# Altium PCB 11BRANMB10H3_20171027.pcbdoc (part 6 of 7)
Units mm, origin at the board's own origin, x right, y up, seen from the top; angles counter-clockwise.
Board outline 91.65 x 48.25 mm, 6 copper layers (TOP, GND1, Singal, POWER, GND2, BOTTOM), stack 0.8 mm thick; 370 components, 289 nets, 1421 pads, 963 vias.
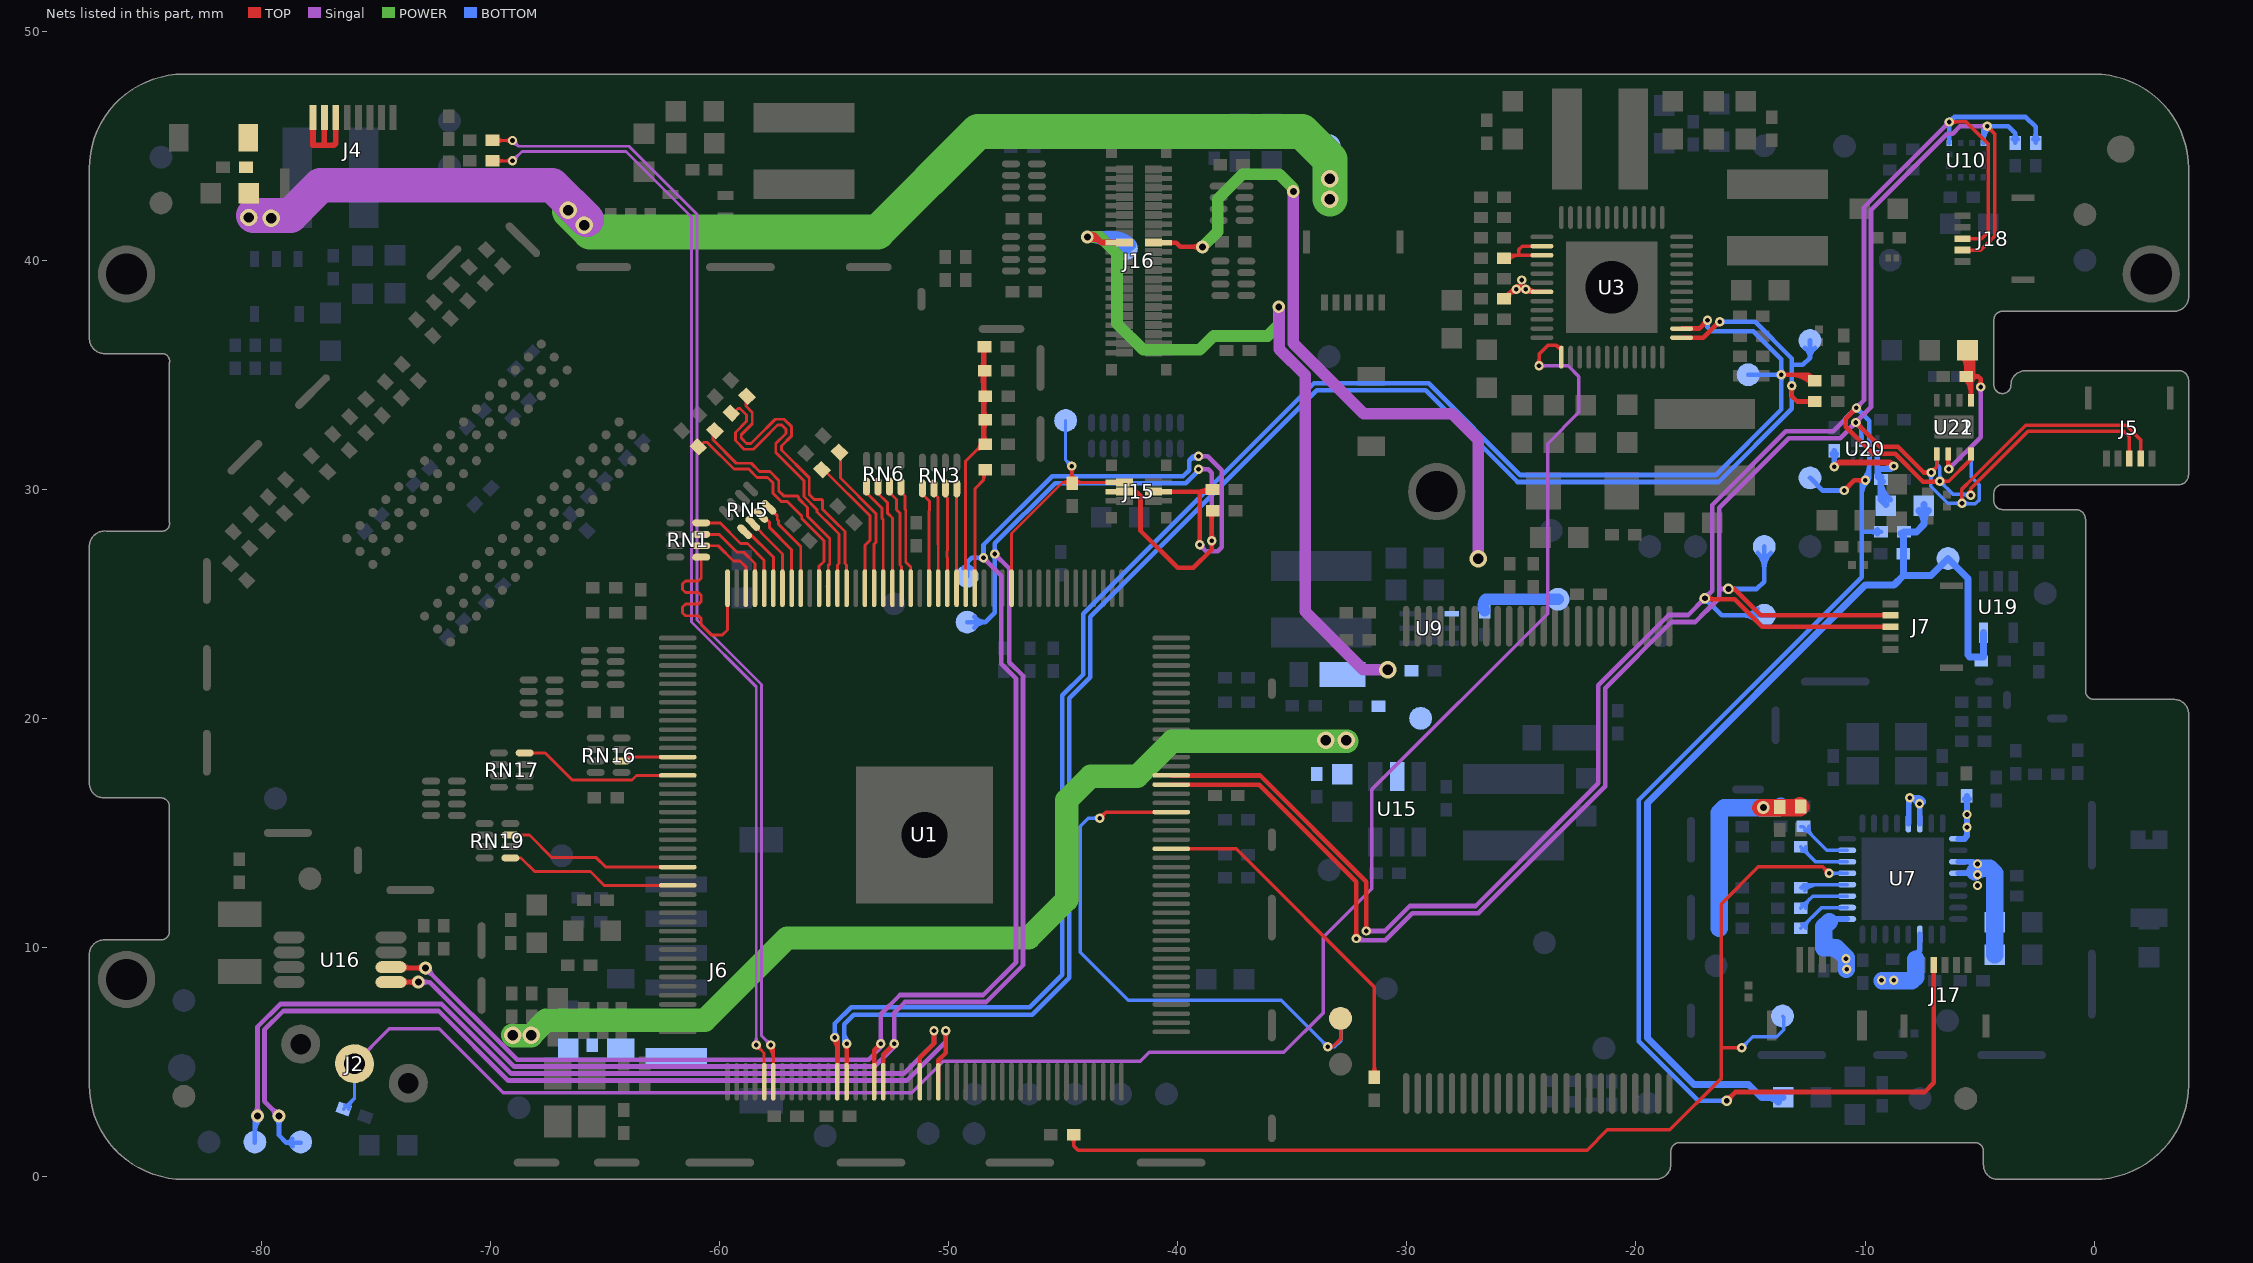
[diagram p10: the nets of this part, all layers, seen from the top]

## Via types
v1: diameter 0.406, hole 0.203, TOP to BOTTOM, tented both sides, 429 vias
v2: diameter 0.457, hole 0.254, TOP to BOTTOM, tented both sides, 256 vias
v3: diameter 0.559, hole 0.305, TOP to BOTTOM, tented both sides, 186 vias
v4: diameter 0.762, hole 0.457, TOP to BOTTOM, tented both sides, 69 vias
v5: diameter 0.61, hole 0.33, TOP to BOTTOM, tented both sides, 11 vias
v6: diameter 0.5, hole 0.2, TOP to BOTTOM, 9 vias
v7: diameter 0.559, hole 0.051, TOP to BOTTOM, tented both sides, 2 vias
v8: diameter 0.508, hole 0.254, TOP to BOTTOM, tented both sides, 1 vias

## Nets (pads, with @x,y where several pads share a name; then routed paths per layer and width w, separated by ;. In a path a pad name is that pad's centre, name@x,y a point inside that pad or via, vN(x,y) a via of type N, cw(c..) or ccw(c..) an arc to the next point about the centre after c; other vN are vias at no path point) (continued)
SD_CLK_1: R171.2 TP43.1 U7.21 | length 50.4
  TOP w0.152: R171.2@-44.669,1.706 cw(c-44.966,1.409) -44.546,1.409 cw(c-44.126,1.409) R171.2@-44.423,1.706 ; R171.2@-44.546,1.829 -44.546,1.329 -44.36,1.143 -22.135,1.143 -21.246,2.032 -18.528,2.032 -16.268,4.293 -16.268,5.613 ; v1@-15.469,5.524 ccw(c-15.685,5.307) -15.685,5.613 ccw(c-15.685,5.92) v1@-15.469,5.703 ; v1(-15.379,5.613) -16.268,5.613 ; v1@-11.696,13.233 ccw(c-12.002,13.233) -11.786,13.45 ccw(c-11.569,13.667) v1@-11.569,13.36 ; v1(-11.569,13.233) -11.848,13.513 -14.663,13.513 -16.268,11.908 -16.268,5.613
  BOTTOM w0.152: v1(-15.379,5.613) -14.896,6.096 -13.855,6.096 -13.55,6.401 -13.55,6.95 TP43.1@-13.6,7 ; v1@-15.379,5.74 ccw(c-15.379,6.047) -15.162,5.83 ccw(c-14.945,5.613) v1@-15.252,5.613 ; v1(-11.569,13.233) -10.786,13.233 U7.21@-10.782,13.237 ; v1@-11.479,13.144 cw(c-11.262,12.927) -11.262,13.233 cw(c-11.262,13.54) v1@-11.479,13.323 ; -11.184,13.233 ccw(c-11.184,13.364) U7.21@-11.092,13.272
SD_CMD_1: R170.2 U7.20 | length 3.2
  BOTTOM w0.152: R170.2@-12.81,12.606 -12.679,12.737 U7.20@-10.782,12.737 ; R170.2@-12.745,12.591 cw(c-12.392,12.238) -12.392,12.737 ; R170.2@-12.637,12.483 cw(c-12.024,11.87) -12.024,12.737
SD_D0_1: R172.2 U7.22 | length 3
  BOTTOM w0.152: R172.2@-12.81,14.384 -12.163,13.737 U7.22@-10.782,13.737 ; R172.2@-12.76,14.21 cw(c-12.76,13.912) -12.549,14.123 ; R172.2@-12.586,14.384 ccw(c-12.046,14.384) -12.428,14.002
SD_D1_1: R173.2 U7.23 | length 3.1
  BOTTOM w0.152: R173.2@-12.81,15.273 -12.709,15.273 -12.7,15.264 -11.673,14.237 U7.23@-10.782,14.237 ; R173.2@-12.635,15.105 cw(c-12.635,14.879) R173.2@-12.475,15.039 ; R173.2@-12.461,15.279 ccw(c-11.848,15.279) -12.281,14.846
SD_D2_1: R168.2 U7.18 | length 3.1
  BOTTOM w0.152: R168.2@-12.81,10.828 -11.901,11.737 U7.18@-10.782,11.737 ; R168.2@-12.76,11.002 ccw(c-12.76,11.301) -12.549,11.09 ; R168.2@-12.586,10.828 cw(c-12.046,10.828) -12.428,11.21
SD_D3_1: R169.2 U7.19 | length 2.9
  BOTTOM w0.152: R169.2@-12.81,11.717 -12.29,12.237 U7.19@-10.782,12.237 ; R169.2@-12.76,11.891 ccw(c-12.76,12.19) -12.549,11.979 ; R169.2@-12.586,11.717 cw(c-12.046,11.717) -12.428,12.099
SDQ0: RN3.5 U1.22 | length 4.5
  TOP w0.127: RN3.5@-51.155,30.04 -51.155,29.794 -50.853,29.493 -50.853,29.072 -50.865,29.059 U1.22@-50.865,25.683
SDQ1: RN1.8 U1.40 | length 4.6
  TOP w0.127: RN1.8@-60.812,28.536 -59.994,28.536 -59.091,27.633 -58.798,27.633 -58.065,26.9 U1.40@-58.065,25.683
SDQ2: RN3.6 U1.21 | length 4.4
  TOP w0.127: RN3.6@-50.654,30.04 -50.654,29.833 -50.472,29.651 -50.472,29.464 U1.21@-50.465,25.683
SDQ3: RN1.7 U1.41 | length 4
  TOP w0.127: RN1.7@-60.812,28.036 -60.033,28.036 -59.249,27.252 -58.955,27.252 -58.465,26.761 U1.41@-58.465,25.683
SDQ4: RN3.8 U1.19 | length 4.4
  TOP w0.127: U1.19@-49.665,25.683 -49.665,29.48 RN3.8@-49.654,30.04
SDQ5: RN1.5 U1.44 | length 8.9
  TOP w0.127: RN1.5@-60.812,27.036 -60.812,26.129 -60.939,26.002 -61.504,26.002 -61.631,25.875 -61.631,25.621 -61.504,25.494 -60.939,25.494 -60.812,25.367 -60.812,25.113 -60.939,24.986 -61.504,24.986 -61.631,24.859 -61.631,24.605 -61.504,24.478 -60.939,24.478 -60.812,24.351 -60.812,24.071 -60.387,23.645 -59.879,23.645 -59.665,23.859 U1.44@-59.665,25.683
SDQ6: RN3.7 U1.20 | length 5
  TOP w0.127: U1.20@-50.065,25.683 -50.065,27.03 -50.074,27.04 -50.065,27.576 -50.065,29.623 -50.091,29.649 ; RN3.7@-50.155,30.04 RN3.7@-50.091,29.809 ; RN3.7@-50.155,30.04 RN3.7@-50.122,29.84 ; RN3.7@-50.155,30.04 -50.155,29.872 RN3.7@-50.122,29.84 ; RN3.7@-50.122,29.84 RN3.7@-50.091,29.809 ; RN3.7@-50.122,29.84 -50.091,29.649 ; -50.091,29.649 RN3.7@-50.091,29.809
SDQ7: RN1.6 U1.42 | length 3.3
  TOP w0.127: RN1.6@-60.812,27.536 -60.072,27.536 -59.407,26.871 -59.113,26.871 -58.865,26.623 U1.42@-58.865,25.683
SDQ8: RN5.7 U1.37 | length 3.8
  TOP w0.127: RN5.7@-58.21,28.858 -58.133,28.858 -57.823,28.548 -57.823,28.32 -56.865,27.362 U1.37@-56.865,25.683
SDQ9: RN6.7 U1.25 | length 4.7
  TOP w0.127: RN6.7@-52.593,30.116 -52.593,29.857 -52.291,29.555 -52.291,29.112 -52.136,28.957 -52.136,26.692 -52.065,26.621 U1.25@-52.065,25.683
SDQ10: RN5.5 U1.39 | length 3.1
  TOP w0.127: RN5.5@-58.917,28.151 -58.777,28.151 -57.665,27.039 U1.39@-57.665,25.683
SDQ11: RN6.8 U1.24 | length 4.6
  TOP w0.127: RN6.8@-52.093,30.116 -52.093,29.896 -51.91,29.713 -51.91,29.117 -51.882,29.089 -51.882,26.825 -51.665,26.608 U1.24@-51.665,25.683
SDQ12: RN5.8 U1.36 | length 4.1
  TOP w0.127: RN5.8@-57.856,29.212 -57.491,28.846 -57.491,28.678 -57.442,28.628 -57.442,28.478 -56.465,27.501 U1.36@-56.465,25.683
SDQ13: RN6.6 U1.26 | length 4.7
  TOP w0.127: RN6.6@-53.093,30.116 -53.093,29.818 -52.672,29.397 -52.672,28.954 -52.465,28.747 U1.26@-52.465,25.683
SDQ14: RN5.6 U1.38 | length 3.4
  TOP w0.127: RN5.6@-58.564,28.505 -58.175,28.116 -58.175,28.088 -57.265,27.178 U1.38@-57.265,25.683
SDQ15: RN6.5 U1.27 | length 4.7
  TOP w0.127: RN6.5@-53.593,30.116 -53.593,29.848 -52.926,29.181 -52.926,28.74 -52.865,28.679 U1.27@-52.865,25.683
SDQM0: R76.1 U1.29 | length 6.1
  TOP w0.127: R76.1@-55.495,30.819 -55.424,30.819 -53.434,28.829 -53.434,27.79 -53.665,27.56 U1.29@-53.665,25.683
SDQM1: R77.1 U1.28 | length 6.6
  TOP w0.127: R77.1@-54.733,31.581 -54.733,30.487 -53.18,28.935 -53.18,27.685 -53.265,27.6 U1.28@-53.265,25.683
SDQS0: R72.1 U1.31 | length 13.6
  TOP w0.127: R72.1@-58.771,34.019 -58.861,33.93 -58.861,33.634 -58.582,33.355 -58.582,32.862 -59.066,32.378 -59.066,32.234 -58.833,32.002 -58.636,32.002 -58.404,32.234 -57.581,33.057 -57.192,33.057 -56.862,32.727 -56.862,32.337 -57.305,31.894 -57.305,31.714 -56.096,30.506 -56.096,29.776 -55.881,29.561 -55.575,29.561 -55.57,29.566 -55.51,29.506 -55.51,29.125 -55.484,29.099 -54.988,28.602 -54.538,28.153 -54.538,26.763 -54.465,26.69 U1.31@-54.465,25.683
SDQS0-N: R73.1 U1.32 | length 13.3
  TOP w0.127: R73.1@-59.457,33.282 -59.211,33.529 -59.114,33.529 -58.836,33.25 -58.836,32.967 -59.32,32.484 -59.32,32.129 -58.939,31.748 -58.531,31.748 -58.15,32.129 -57.476,32.803 -57.297,32.803 -57.116,32.622 -57.116,32.443 -57.559,31.999 -57.559,31.609 -56.325,30.375 -56.325,29.682 -55.764,29.121 -55.764,29.019 -55.738,28.994 -55.093,28.348 -54.792,28.047 -54.792,26.763 -54.865,26.69 U1.32@-54.865,25.683
SDQS1: R74.1 U1.33 | length 10.1
  TOP w0.127: R74.1@-60.168,32.52 -60.31,32.378 -60.31,32.169 -59.278,31.136 -58.632,31.136 -58.271,30.775 -57.813,30.775 -57.427,30.389 -57.427,29.932 -57.212,29.716 -56.624,29.716 -56.554,29.646 -56.554,29.587 -56.17,29.204 -56.17,28.825 -55.202,27.857 -55.202,26.743 -55.265,26.681 U1.33@-55.265,25.683 U1.33@-55.332,25.75
SDQS1-N: R75.1 U1.34 | length 9.8
  TOP w0.127: R75.1@-60.905,31.809 -60.905,31.839 -60.691,32.053 -60.554,32.053 -59.384,30.882 -58.737,30.882 -58.376,30.521 -57.919,30.521 -57.681,30.283 -57.681,29.826 -57.317,29.462 -57.054,29.462 -56.424,28.832 -56.424,28.72 -55.456,27.752 -55.456,26.849 -55.665,26.64 U1.34@-55.665,25.683
SODT: RN19.5 U1.72 | length 7.8
  TOP w0.127: RN19.5@-69.143,13.904 -68.679,13.904 -68.083,13.308 -65.644,13.308 -65.045,12.708 U1.72@-61.84,12.708
SRAS: RN16.6 U1.58 | length 2.5
  TOP w0.127: RN16.6@-64.29,18.141 -64.123,18.308 U1.58@-61.84,18.308
SRST: RN19.7 U1.70 | length 7.9
  TOP w0.127: RN19.7@-69.143,14.904 -68.311,14.904 -67.325,13.917 -65.391,13.917 -64.982,13.508 U1.70@-61.84,13.508
SVREF: C82.2 C84.1 C148.2 R89.1 R91.2 U1.18 | length 23.4
  TOP w0.127: U1.18@-49.265,25.683 -49.265,31.237 C148.2@-48.525,31.977 ; -48.886,31.616 cw(c-48.465,31.195) C148.2@-48.465,31.79 ; -48.741,31.76 ccw(c-48.958,31.977) C148.2@-48.652,31.977 ; C84.1@-48.611,35.048 cw(c-48.904,34.755) -48.489,34.755 ; C148.2@-48.597,32.108 ccw(c-48.915,32.426) -48.466,32.426 ; R91.2@-48.588,32.911 cw(c-48.882,32.616) -48.466,32.616 ; R91.2@-48.588,33.174 ccw(c-48.882,33.468) -48.466,33.468 ; C82.2@-48.588,33.939 cw(c-48.882,33.645) -48.466,33.645 ; C82.2@-48.588,34.203 ccw(c-48.825,34.44) -48.489,34.441 ; -48.489,34.602 ccw(c-47.925,34.602) C82.2@-48.324,34.203 ; -48.489,34.705 cw(c-48.004,34.705) C84.1@-48.347,35.049 ; C84.1@-48.49,35.18 C82.2@-48.489,34.095 ; C148.2@-48.477,31.984 C148.2@-48.525,31.977 ; C148.2@-48.475,31.985 C148.2@-48.466,31.986 ; -48.466,32.428 ccw(c-48.014,32.428) C148.2@-48.333,32.108 ; -48.466,32.568 cw(c-47.981,32.568) R91.2@-48.324,32.911 ; -48.466,33.517 ccw(c-47.981,33.517) R91.2@-48.324,33.174 ; -48.466,33.597 cw(c-47.981,33.597) C82.2@-48.324,33.939 ; C148.2@-48.525,31.977 -48.475,31.977 C148.2@-48.466,31.986 ; C82.2@-48.489,34.095 C82.2@-48.475,34.081 ; C82.2@-48.489,34.095 C82.2@-48.475,34.081 ; C82.2@-48.475,34.081 C82.2@-48.466,34.071 ; C82.2@-48.475,34.081 C82.2@-48.466,34.071 ; C148.2@-48.466,31.986 -48.466,33.042 C82.2@-48.466,34.071
  TOP w0.152: R89.1@-48.612,36.101 cw(c-48.909,35.79) -48.479,35.801 ; R89.1@-48.502,36.227 -48.489,36.214 -48.475,35.649 ; -48.479,35.815 cw(c-48.07,35.825) R89.1@-48.367,36.107
  TOP w0.227: C82.2@-48.489,34.095 C82.2@-48.475,34.071
  TOP w0.234: R91.2@-48.475,33.043 R91.2@-48.466,33.042
  TOP w0.254: R89.1@-48.579,36.14 cw(c-48.831,35.889) -48.475,35.889 ; C84.1@-48.565,35.092 cw(c-48.748,34.905) -48.486,34.908 ; C84.1@-48.564,35.27 ccw(c-48.743,35.46) -48.481,35.453 ; C148.2@-48.552,32.064 ccw(c-48.738,32.249) -48.475,32.249 ; R89.1@-48.503,36.227 -48.489,36.214 -48.475,36.2 -48.475,35.649 -48.49,35.182 C84.1@-48.49,35.18 ; C84.1@-48.49,35.18 -48.475,34.081 C82.2@-48.475,34.071 ; -48.485,34.858 cw(c-48.153,34.863) C84.1@-48.391,35.094 ; -48.48,35.479 ccw(c-48.202,35.471) C84.1@-48.394,35.269 ; -48.48,34.415 ccw(c-48.116,34.42) C82.2@-48.37,34.159 ; C148.2@-48.475,31.977 -48.475,31.985 R91.2@-48.475,33.042 ; -48.475,32.298 ccw(c-48.144,32.298) C148.2@-48.378,32.064 ; -48.475,32.698 cw(c-48.111,32.698) R91.2@-48.369,32.955 ; R91.2@-48.475,33.043 C82.2@-48.475,34.071 ; -48.475,33.387 ccw(c-48.111,33.387) R91.2@-48.369,33.129 ; -48.475,33.727 cw(c-48.111,33.727) C82.2@-48.369,33.984 ; -48.475,35.972 cw(c-48.237,35.972) R89.1@-48.405,36.14 ; C82.2@-48.466,34.071 C82.2@-48.475,34.071
SWE: RN17.8 U1.60 | length 7.2
  TOP w0.127: RN17.8@-68.518,18.492 -67.626,18.489 -66.447,17.31 -63.83,17.31 -63.632,17.508 U1.60@-61.84,17.508
SZQ: R94.2 U1.17 | length 6
  TOP w0.127: U1.17@-48.865,25.683 -48.865,30.024 -48.475,30.414 ; R94.2@-48.597,30.727 cw(c-48.891,30.433) -48.475,30.433 ; R94.2@-48.475,30.859 -48.475,30.414 ; R94.2@-48.34,30.721 ccw(c-48.059,30.414) -48.475,30.414
TEMP_VDD: C254.1 R214.2 U22.2 U22.5 | length 14.1
  TOP w0.203: v1@-6.371,30.886 U22.2@-6.371,31.54 ; C254.1@-5.635,34.82 cw(c-6.27,34.185) -5.371,34.185 ; C254.1@-5.559,34.78 cw(c-5.61,34.528) -5.388,34.656 cw(c-5.197,34.766) C254.1@-5.396,34.861 ; C254.1@-5.491,34.964 cw(c-5.779,34.675) C254.1@-5.371,34.675 ; C254.1@-5.482,34.82 cw(c-5.749,34.553) -5.371,34.553 ; C254.1@-5.425,34.82 cw(c-5.171,34.566) -5.171,34.925 cw(c-5.171,35.284) C254.1@-5.425,35.03 ; U22.5@-5.371,33.89 -5.371,34.869 -5.427,34.925 -5.055,34.925 -4.953,34.823 v1(-4.953,34.468) ; -5.371,34.581 cw(c-5.033,34.581) -5.272,34.82 ; v1@-5.025,34.54 ccw(c-5.199,34.713) -4.953,34.713 ccw(c-4.707,34.713) v1@-4.881,34.54 ; -6.371,31.193 ccw(c-6.039,31.193) -6.274,30.958 cw(c-6.039,31.193) -6.371,31.193
  TOP w0.508: C254.1@-5.527,34.922 ccw(c-5.767,35.163) C254.1@-5.427,35.163 ; R214.2@-5.524,36.068 -5.427,35.971 C254.1@-5.427,34.925 ; R214.2@-5.663,35.929 cw(c-6.233,35.36) -5.427,35.36 ccw(c-6.233,35.36) R214.2@-5.663,35.929
  Singal w0.203: v1(-6.346,30.886) -4.953,32.279 v1(-4.953,34.468) ; v1@-5.025,34.396 cw(c-5.199,34.222) -4.953,34.222 cw(c-4.707,34.222) v1@-4.881,34.396 ; -6.172,31.06 ccw(c-5.999,30.886) -6.244,30.886 cw(c-5.999,30.886) -6.172,31.06 ; -6.172,31.06 cw(c-6.346,31.234) -6.346,30.988 ccw(c-6.346,31.234) -6.172,31.06
TP-INT: J15.2 R177.1 TP30.1 U1.13 | length 14.9
  TOP w0.127: U1.13@-47.265,25.683 -47.265,28.075 -45.04,30.3 ; -45.019,30.3 cw(c-45.019,29.914) R177.1@-44.746,30.187 ; R177.1@-44.76,30.435 cw(c-45.04,30.658) -45.04,30.3 ; R177.1@-44.746,30.451 ccw(c-45.003,30.708) -44.64,30.708 ; v1@-44.738,30.915 cw(c-44.977,30.676) -44.64,30.676 cw(c-44.302,30.676) v1@-44.541,30.915 ; v1@-44.709,30.892 cw(c-44.797,30.74) -44.628,30.786 ; v1@-44.64,30.83 ccw(c-44.103,30.83) -44.482,30.451 ccw(c-44.119,30.814) -44.119,30.3 ; v1(-44.64,31.013) R177.1@-44.64,30.3 ; -44.589,30.641 cw(c-44.275,30.725) v1@-44.53,30.927 ; R177.1@-44.482,30.187 cw(c-44.209,29.914) -44.209,30.3 ; J15.2@-43.07,30.26 ccw(c-43.166,30.164) -43.166,30.3 ccw(c-43.166,30.436) J15.2@-43.07,30.34 ; J15.2@-42.925,30.3 R177.1@-44.64,30.3 ; J15.2@-42.852,30.3 J15.2@-42.335,30.3 ; J15.2@-42.78,30.26 cw(c-42.684,30.164) -42.684,30.3 cw(c-42.684,30.436) J15.2@-42.78,30.34 ; -45.04,30.3 R177.1@-44.64,30.3
  BOTTOM w0.127: TP30.1@-44.9,33 -44.9,31.274 v1(-44.64,31.013) ; v1@-44.779,31.013 ccw(c-45.117,31.013) -44.878,31.252 ccw(c-44.64,31.49) v1@-44.64,31.153
TS: J2.2 R178.2 U3.37 | length 85.9
  TOP w0.152: v1@-24.322,35.48 ccw(c-24.539,35.697) -24.232,35.697 ccw(c-23.925,35.697) v1@-24.142,35.48 ; v1(-24.232,35.39) -24.232,35.898 -23.851,36.279 -23.47,36.279 ; U3.37@-23.257,35.769 -23.257,36.066 -23.47,36.279 ; U3.37@-23.257,36.193 cw(c-23.262,36.487) -23.47,36.279
  Singal w0.152: J2.2@-75.95,4.923 -74.426,6.447 -72.246,6.447 -69.452,3.653 -51.621,3.653 -50.249,5.025 -41.638,5.025 -41.245,5.418 -35.371,5.418 -33.654,7.135 -33.654,10.443 -31.533,12.564 -31.533,16.891 -23.856,24.569 -23.856,31.997 -22.491,33.362 -22.491,34.925 -22.956,35.39 v1(-24.232,35.39) ; v1@-24.142,35.3 cw(c-23.925,35.083) -23.925,35.39 cw(c-23.925,35.697) v1@-24.142,35.48
  BOTTOM w0.152: R178.2@-76.416,2.942 -75.95,3.408 J2.2@-75.95,4.923 ; R178.2@-76.369,3.099 ccw(c-76.369,3.364) -76.182,3.176 ; R178.2@-76.195,2.925 cw(c-75.621,2.925) -76.027,3.331
TWI0-SCK: R8.2 TP7.1 U1.101 U3.2 | length 82.8
  TOP w0.203: v1@-55.049,5.994 cw(c-55.493,5.55) -54.865,5.55 ; v1(-54.977,6.066) -54.865,5.954 U1.101@-54.865,4.133 ; U3.2@-18.007,37.019 -17.242,37.019 v1(-16.877,37.384) ; v1@-16.979,37.384 cw(c-17.224,37.384) -17.05,37.211 cw(c-16.877,37.038) v1@-16.877,37.283 ; v1(-13.652,35.001) -12.45,35.001 ; v1@-13.58,34.929 cw(c-13.406,34.756) -13.406,35.001 cw(c-13.406,35.246) v1@-13.58,35.073 ; -13.217,35.001 cw(c-13.217,33.776) R8.2@-12.351,34.642 ; -12.727,35.001 cw(c-12.727,34.266) R8.2@-12.207,34.786 ; R8.2@-12.414,34.965 ccw(c-12.246,35.133) R8.2@-12.246,34.896 ; R8.2@-12.39,34.783 ccw(c-12.612,34.839) -12.45,35.001 ; R8.2@-12.196,34.747 -12.45,35.001
  BOTTOM w0.203: v1@-55.049,6.138 ccw(c-55.222,6.311) -54.977,6.311 ccw(c-54.732,6.311) v1@-54.905,6.138 ; v1(-54.977,6.066) -54.977,6.677 -54.267,7.387 -46.468,7.387 -45.046,8.809 -45.046,21.001 -44.131,21.915 -44.131,24.559 -34.057,34.633 -29.053,34.633 -25.044,30.623 -16.513,30.623 -13.652,33.485 v1(-13.652,35.001) ; v1@-16.949,37.313 cw(c-17.122,37.139) -16.877,37.139 cw(c-16.632,37.139) v1@-16.805,37.313 ; v1(-16.877,37.384) -16.877,37.084 -16.7,36.906 -14.871,36.906 -13.652,35.687 v1(-13.652,35.001) ; TP7.1@-15.1,35 -15.099,35.001 v1(-13.652,35.001) ; v1@-13.58,34.929 ccw(c-13.406,34.756) -13.652,34.756 ccw(c-13.897,34.756) -13.723,34.929 ccw(c-13.897,34.756) -13.897,35.001 ccw(c-13.897,35.246) -13.723,35.073 ccw(c-13.897,35.246) -13.652,35.246 ccw(c-13.406,35.246) v1@-13.58,35.073
TWI0-SDA: R7.2 TP6.1 U1.102 U3.1 | length 82.5
  TOP w0.127: v1@-54.465,5.792 v1(-54.458,5.799)
  TOP w0.203: v1@-54.53,5.727 cw(c-54.687,5.57) -54.465,5.57 ; U1.102@-54.465,4.133 v1@-54.465,5.792 ; -54.465,5.537 cw(c-54.196,5.537) v1@-54.386,5.727 ; U3.1@-18.007,36.619 -17.068,36.619 -16.37,37.317 v1(-16.336,37.317) ; -16.567,37.12 cw(c-16.336,36.889) v1@-16.336,37.215 ; v1@-13.266,34.447 cw(c-13.44,34.273) -13.194,34.273 cw(c-12.949,34.273) v1@-13.123,34.447 ; v1(-13.194,34.519) -13.194,34.061 -12.966,33.833 R7.2@-12.196,33.833 R7.2@-12.17,33.833 ; R7.2@-12.351,33.728 ccw(c-12.604,33.475) -12.604,33.833 ccw(c-12.604,34.191) R7.2@-12.351,33.938
  BOTTOM w0.203: -54.571,6.316 ccw(c-53.941,6.316) v1@-54.386,5.871 ; v1(-54.458,5.799) -54.571,5.912 -54.571,6.642 -54.156,7.056 -46.368,7.056 -44.741,8.683 -44.741,20.874 -43.826,21.789 -43.826,24.433 -33.931,34.328 -29.18,34.328 -25.17,30.318 -16.387,30.318 -13.194,33.511 v1(-13.194,34.519) -13.194,35.433 ; v1(-16.336,37.317) -14.799,37.317 -13.194,35.712 -13.194,35.433 ; v1@-16.264,37.245 cw(c-16.091,37.072) -16.091,37.317 cw(c-16.091,37.562) v1@-16.264,37.389 ; v1@-13.266,34.447 cw(c-13.44,34.273) -13.194,34.273 cw(c-12.949,34.273) v1@-13.123,34.447 ; v1@-13.266,34.59 ccw(c-13.44,34.764) -13.194,34.764 ccw(c-12.949,34.764) v1@-13.123,34.59 ; TP6.1@-12.625,36.171 cw(c-12.917,35.745) -12.4,35.745 ; TP6.1@-12.4,36.5 -12.4,35.745 ; TP6.1@-12.175,36.171 ccw(c-11.883,35.745) -12.4,35.745 ; -13.194,35.433 -12.712,35.433 -12.4,35.745
TWI1-SCK: J15.3 R6.2 TP28.1 U1.105 U16.6 | length 82.9
  TOP w0.203: U16.6@-74.352,9.14 U16.6@-74.356,9.135 -74.321,9.1 v3(-72.852,9.1) ; U16.6@-73.829,9.023 cw(c-73.644,8.838) -73.644,9.1 ; U16.6@-73.829,9.247 ccw(c-73.474,9.602) -73.474,9.1 ; v3@-72.978,8.975 ccw(c-73.281,8.671) -73.281,9.1 ccw(c-73.281,9.53) v3@-72.978,9.226 ; U1.105@-53.265,4.133 -53.265,5.505 v1(-52.97,5.799) ; v1@-53.072,5.799 cw(c-53.317,5.799) -53.144,5.626 cw(c-52.97,5.452) v1@-52.97,5.697 ; J15.3@-41.065,29.9 J15.3@-40.475,29.9 -38.575,29.9 R6.2@-38.484,29.991 ; v1@-39.123,27.652 ccw(c-39.296,27.825) -39.051,27.825 ccw(c-38.806,27.825) v1@-38.979,27.652 ; -39.112,29.9 ccw(c-39.112,30.568) R6.2@-38.639,30.096 ; v1(-39.051,27.58) -39.051,29.875
  Singal w0.203: v3@-72.852,8.923 cw(c-72.852,8.493) -72.548,8.797 cw(c-72.245,9.1) v3@-72.674,9.1 ; v3(-72.852,9.1) -68.852,5.101 -53.504,5.101 -52.97,5.634 v1(-52.97,5.799) -52.97,7.082 -52.132,7.92 -48.5,7.92 -47.067,9.354 -47.067,21.731 -47.713,22.377 -47.713,26.232 v1(-48.489,27.008) ; -53.26,5.345 ccw(c-53.715,5.799) v1@-53.072,5.799 ; v1@-53.042,5.871 ccw(c-53.216,6.044) -52.97,6.044 ccw(c-52.725,6.044) v1@-52.899,5.871 ; v1@-48.489,26.906 cw(c-48.489,26.661) -48.316,26.835 cw(c-48.142,27.008) v1@-48.387,27.008 ; v1(-39.102,31.441) -38.696,31.441 -38.086,30.831 -38.086,27.478 -38.264,27.301 -38.772,27.301 v1(-39.051,27.58) ; v1@-39.051,27.478 cw(c-39.051,27.233) -38.878,27.407 cw(c-38.704,27.58) v1@-38.95,27.58 ; v1@-39.03,31.369 cw(c-38.857,31.196) -38.857,31.441 cw(c-38.857,31.686) v1@-39.03,31.513
  BOTTOM w0.203: TP28.1@-49.359,26.565 ccw(c-49.466,26.809) -49.2,26.809 ; TP28.1@-49.2,26.2 -49.2,26.809 ; TP28.1@-49.041,26.565 cw(c-48.934,26.809) -49.2,26.809 ; v1@-48.561,26.936 ccw(c-48.734,26.763) -48.734,27.008 ccw(c-48.734,27.253) -48.561,27.08 ccw(c-48.734,27.253) -48.489,27.253 ccw(c-48.244,27.253) v1@-48.417,27.08 ; v1@-39.177,31.373 ccw(c-39.331,31.234) -39.331,31.441 ; v1@-39.177,31.509 cw(c-39.331,31.647) -39.331,31.441 ; v1@-39.137,31.345 ccw(c-39.258,31.013) -39.508,31.263 ; v1(-39.102,31.441) -39.331,31.441 ; -49.2,26.809 -49.001,27.008 v1(-48.489,27.008) -48.489,27.57 -45.488,30.571 -39.778,30.571 -39.508,30.841 -39.508,31.263 ; -39.508,31.263 -39.331,31.441